# Altium PCB Thermostat_8CH.PCBDOC (part 1 of 10) (continued)
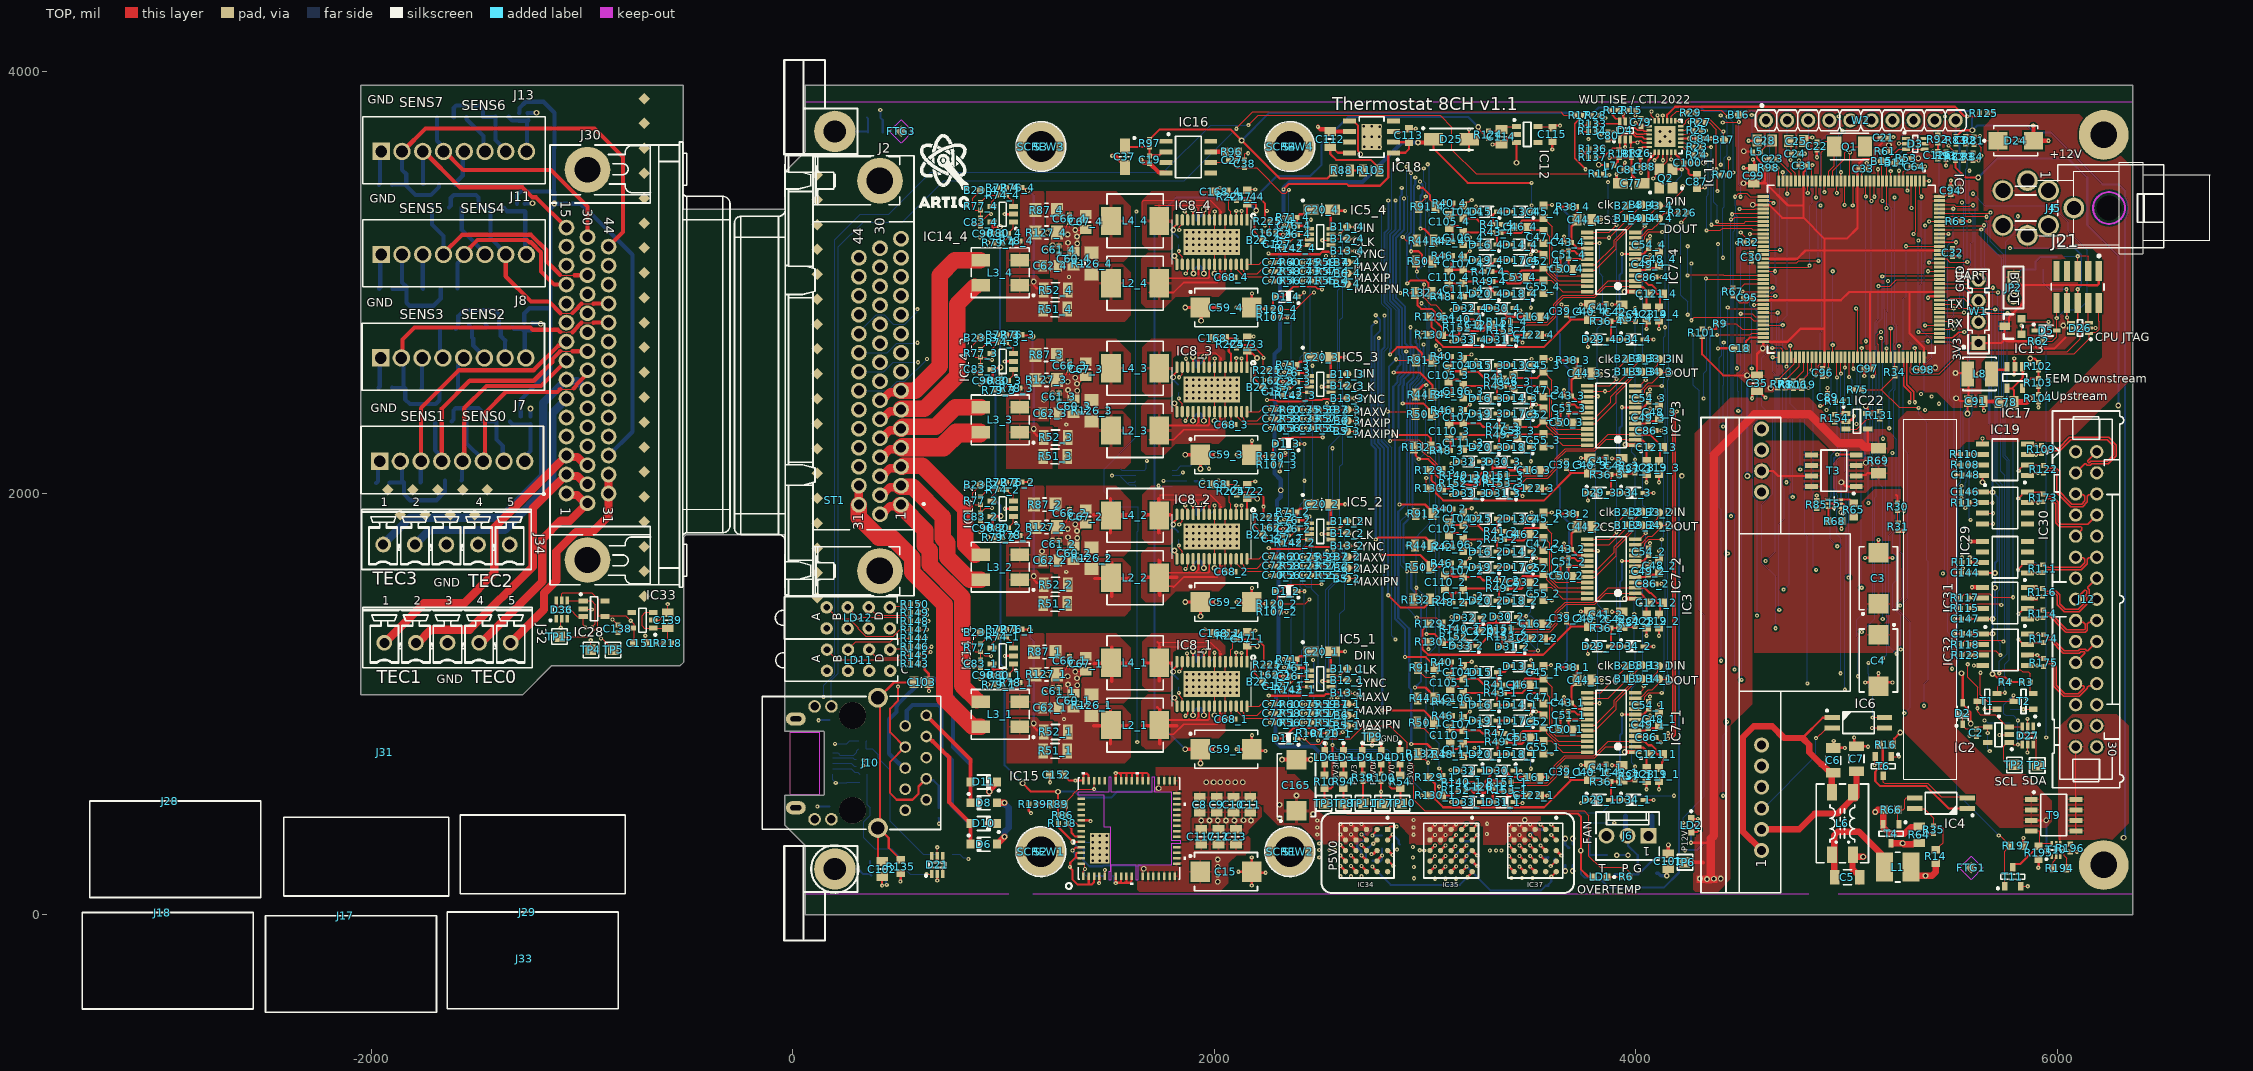
[diagram p0: TOP view]
## Classes and differential pairs
net class HPOW: NetC5_1 NetC5_2 NetC6_2 NetC7_2 P3V3 P5V0 P12V0 P12V0_IN P12V0_POE PN_1 PN_2 PN_3 PN_4 POE_VC+ POE_VC- PPS_1 PPS_2 PPS_3 PPS_4 TEC0+ TEC0- TEC1+ TEC1- TEC2+ TEC2- TEC3+ TEC3-
component class U_TH8_Breakout: C128 C129 C130 C131 C138 C139 C151 D36 IC28 IC33 J7 J8 J11 J13 J17 J18 J28 J29 J30 J31 J32 J33 J34 L10 L11 L12 L13 R155 R156 R157 R158 R159 R160 R161 R162 R163 R164 R165 R166 R167 R168 R169 R170 R171 R172 R176 R177 R178 R179 R180 R181 R218 TP4 TP5 TP15
net class Vref[3..0]: Vref0 Vref1 Vref2 Vref3
net class TEC_U_meas[3..0]: TEC_U_meas0 TEC_U_meas1 TEC_U_meas2 TEC_U_meas3
net class PWM_maxV[3..0]: PWM_maxV0 PWM_maxV1 PWM_maxV2 PWM_maxV3
net class PWM_maxIPos[3..0]: PWM_maxIPos0 PWM_maxIPos1 PWM_maxIPos2 PWM_maxIPos3
net class PWM_maxINeg[3..0]: PWM_maxINeg0 PWM_maxINeg1 PWM_maxINeg2 PWM_maxINeg3
net class ITEC[3..0]: ITEC0 ITEC1 ITEC2 ITEC3
net class DAC_SYNCn[3..0]: DAC_SYNCn0 DAC_SYNCn1 DAC_SYNCn2 DAC_SYNCn3
net class ADC_CSn[3..0]: ADC_CSn0 ADC_CSn1 ADC_CSn2 ADC_CSn3
net class \S\H\D\N\[3..0]: \S\H\D\N\0 \S\H\D\N\1 \S\H\D\N\2 \S\H\D\N\3
component class EEM_connector: C144 C145 C146 C147 C148 D27 IC19 IC23 IC29 IC30 IC31 IC32 IC36 IC39 IC40 IC41 J12 R108 R109 R110 R111 R112 R113 R114 R115 R116 R117 R118 R122 R123 R173 R174 R175 R194 R195 R196 R197 T9 T10 T11
channel class TH8_TEC_driver: U_TEC_driver0 U_TEC_driver1 U_TEC_driver2 U_TEC_driver3
channel class TH8_AFE: U_AFE0 U_AFE1 U_AFE2 U_AFE3
component class U_TEC_driver3: B5_4 B6_4 B7_4 B11_4 B12_4 B13_4 B22_4 B23_4 C20_4 C26_4 C56_4 C57_4 C58_4 C59_4 C60_4 C61_4 C62_4 C63_4 C66_4 C67_4 C68_4 C69_4 C70_4 C71_4 C72_4 C73_4 C74_4 C75_4 C76_4 C83_4 C90_4 C127_4 C162_4 C168_4 D1_4 IC5_4 IC8_4 IC14_4 IC38_4 L2_4 L3_4 L4_4 R51_4 R52_4 R55_4 R56_4 R57_4 R58_4 R59_4 R60_4 R71_4 R72_4 R74_4 R76_4 R77_4 R78_4 R79_4 R80_4 R87_4 R107_4 R120_4 R126_4 R127_4 R142_4 R224_4 R225_4
component class U_TEC_driver2: B5_3 B6_3 B7_3 B11_3 B12_3 B13_3 B22_3 B23_3 C20_3 C26_3 C56_3 C57_3 C58_3 C59_3 C60_3 C61_3 C62_3 C63_3 C66_3 C67_3 C68_3 C69_3 C70_3 C71_3 C72_3 C73_3 C74_3 C75_3 C76_3 C83_3 C90_3 C127_3 C162_3 C168_3 D1_3 IC5_3 IC8_3 IC14_3 IC38_3 L2_3 L3_3 L4_3 R51_3 R52_3 R55_3 R56_3 R57_3 R58_3 R59_3 R60_3 R71_3 R72_3 R74_3 R76_3 R77_3 R78_3 R79_3 R80_3 R87_3 R107_3 R120_3 R126_3 R127_3 R142_3 R224_3 R225_3
component class U_AFE3: B1_4 B2_4 B3_4 B4_4 B8_4 B9_4 C16_4 C39_4 C40_4 C41_4 C42_4 C43_4 C44_4 C45_4 C46_4 C47_4 C48_4 C49_4 C50_4 C51_4 C52_4 C53_4 C54_4 C55_4 C86_4 C104_4 C105_4 C106_4 C107_4 C110_4 C111_4 C119_4 C120_4 C121_4 C122_4 C123_4 D13_4 D14_4 D15_4 D16_4 D17_4 D18_4 D19_4 D20_4 D29_4 D30_4 D31_4 D32_4 D33_4 D34_4 IC7_4 R36_4 R37_4 R38_4 R40_4 R41_4 R42_4 R43_4 R44_4 R46_4 R47_4 R48_4 R49_4 R50_4 R91_4 R129_4 R130_4 R132_4 R140_4 R151_4 R152_4 R153_4
component class U_AFE2: B1_3 B2_3 B3_3 B4_3 B8_3 B9_3 C16_3 C39_3 C40_3 C41_3 C42_3 C43_3 C44_3 C45_3 C46_3 C47_3 C48_3 C49_3 C50_3 C51_3 C52_3 C53_3 C54_3 C55_3 C86_3 C104_3 C105_3 C106_3 C107_3 C110_3 C111_3 C119_3 C120_3 C121_3 C122_3 C123_3 D13_3 D14_3 D15_3 D16_3 D17_3 D18_3 D19_3 D20_3 D29_3 D30_3 D31_3 D32_3 D33_3 D34_3 IC7_3 R36_3 R37_3 R38_3 R40_3 R41_3 R42_3 R43_3 R44_3 R46_3 R47_3 R48_3 R49_3 R50_3 R91_3 R129_3 R130_3 R132_3 R140_3 R151_3 R152_3 R153_3
component class U_AFE1: B1_2 B2_2 B3_2 B4_2 B8_2 B9_2 C16_2 C39_2 C40_2 C41_2 C42_2 C43_2 C44_2 C45_2 C46_2 C47_2 C48_2 C49_2 C50_2 C51_2 C52_2 C53_2 C54_2 C55_2 C86_2 C104_2 C105_2 C106_2 C107_2 C110_2 C111_2 C119_2 C120_2 C121_2 C122_2 C123_2 D13_2 D14_2 D15_2 D16_2 D17_2 D18_2 D19_2 D20_2 D29_2 D30_2 D31_2 D32_2 D33_2 D34_2 IC7_2 R36_2 R37_2 R38_2 R40_2 R41_2 R42_2 R43_2 R44_2 R46_2 R47_2 R48_2 R49_2 R50_2 R91_2 R129_2 R130_2 R132_2 R140_2 R151_2 R152_2 R153_2
component class U_AFE0: B1_1 B2_1 B3_1 B4_1 B8_1 B9_1 C16_1 C39_1 C40_1 C41_1 C42_1 C43_1 C44_1 C45_1 C46_1 C47_1 C48_1 C49_1 C50_1 C51_1 C52_1 C53_1 C54_1 C55_1 C86_1 C104_1 C105_1 C106_1 C107_1 C110_1 C111_1 C119_1 C120_1 C121_1 C122_1 C123_1 D13_1 D14_1 D15_1 D16_1 D17_1 D18_1 D19_1 D20_1 D29_1 D30_1 D31_1 D32_1 D33_1 D34_1 IC7_1 R36_1 R37_1 R38_1 R40_1 R41_1 R42_1 R43_1 R44_1 R46_1 R47_1 R48_1 R49_1 R50_1 R91_1 R129_1 R130_1 R132_1 R140_1 R151_1 R152_1 R153_1
component class Thermostat_8CH: C1 C2 C160 C161 D3 FTG1 FTG2 FTG3 FTG4 IC1 IC2 J2 LD1 R1 R2 R3 R4 R5 R6 R220 R223 S1 S2 S3 S4 SCREW1 SCREW2 SCREW3 SCREW4 SCREW5 SCREW6 SCREW7 SCREW8 ST1 Standoff1 Standoff2 Standoff4 T1 T2 TP1 TP2 TP3
net class POWER: P5V0 P12V0
net class HV: NetC5_1 NetC5_2 NetC6_2 NetC7_2 NetIC3_3 NetIC4_3 NetIC4_4 POE_IN1 POE_IN2 POE_IN3 POE_IN4 POE_VC+ POE_VC-
component class USB: C108 C109 D21 FB1 FB2 J9 L9 R73 R75
component class U_STM32_F4CPU: B14 B15 C17 C18 C21 C22 C23 C24 C25 C28 C29 C30 C31 C32 C33 C35 C64 C92 C93 C94 C95 C96 C97 C98 C99 C126 D5 D26 IC9 IC13 J21 JP2 L5 LD11 LD12 Q1 R7 R8 R32 R33 R34 R53 R61 R62 R63 R70 R81 R82 R83 R84 R92 R93 R106 R119 R143 R144 R145 R146 R147 R148 R149 R150 R226 W1 W2
component class U_TEC_driver1: B5_2 B6_2 B7_2 B11_2 B12_2 B13_2 B22_2 B23_2 C20_2 C26_2 C56_2 C57_2 C58_2 C59_2 C60_2 C61_2 C62_2 C63_2 C66_2 C67_2 C68_2 C69_2 C70_2 C71_2 C72_2 C73_2 C74_2 C75_2 C76_2 C83_2 C90_2 C127_2 C162_2 C168_2 D1_2 IC5_2 IC8_2 IC14_2 IC38_2 L2_2 L3_2 L4_2 R51_2 R52_2 R55_2 R56_2 R57_2 R58_2 R59_2 R60_2 R71_2 R72_2 R74_2 R76_2 R77_2 R78_2 R79_2 R80_2 R87_2 R107_2 R120_2 R126_2 R127_2 R142_2 R224_2 R225_2
component class U_TEC_driver0: B5_1 B6_1 B7_1 B11_1 B12_1 B13_1 B22_1 B23_1 C20_1 C26_1 C56_1 C57_1 C58_1 C59_1 C60_1 C61_1 C62_1 C63_1 C66_1 C67_1 C68_1 C69_1 C70_1 C71_1 C72_1 C73_1 C74_1 C75_1 C76_1 C83_1 C90_1 C127_1 C162_1 C168_1 D1_1 IC5_1 IC8_1 IC14_1 IC38_1 L2_1 L3_1 L4_1 R51_1 R52_1 R55_1 R56_1 R57_1 R58_1 R59_1 R60_1 R71_1 R72_1 R74_1 R76_1 R77_1 R78_1 R79_1 R80_1 R87_1 R107_1 R120_1 R126_1 R127_1 R142_1 R224_1 R225_1
component class RMII_Ethernet: B16 B17 C36 C65 C77 C79 C80 C81 C84 C85 C87 C88 C100 C102 C103 D4 D6 D7 D8 D9 D10 D11 D22 D23 IC11 J10 L7 Q2 R11 R12 R15 R17 R18 R19 R20 R21 R22 R23 R24 R25 R26 R27 R28 R29 R98 R99 R125 R133 R134 R135 R136 R137
component class U_Thermostat_Supply: B10 B18 B19 B20 B21 C3 C4 C5 C6 C7 C8 C9 C10 C11 C12 C13 C14 C15 C19 C27 C34 C37 C38 C78 C82 C89 C91 C101 C112 C113 C114 C115 C117 C118 C152 C155 C156 C157 C158 C159 C163 C164 C165 C166 C167 D2 D12 D24 D25 D28 IC3 IC4 IC6 IC12 IC15 IC16 IC17 IC18 IC22 IC34 IC35 IC37 J4 J5 J6 L1 L6 L8 LD2 LD3 LD4 LD6 LD9 LD10 R9 R10 R13 R14 R16 R30 R31 R35 R39 R54 R64 R65 R66 R67 R68 R69 R85 R86 R88 R89 R90 R94 R95 R96 R97 R100 R101 R102 R103 R104 R105 R121 R124 R128 R131 R138 R139 R141 R154 R219 R221 R222 R227 R228 R229 R230 R231 T3 T4 T5 T6 T7 T8 TP6 TP7 TP8 TP9 TP10 TP11
differential pair TD: +TD_P -TD_N
differential pair RD: +RD_P -RD_N
differential pair LVDS7: +LVDS7_P -LVDS7_N
differential pair LVDS6: +LVDS6_P -LVDS6_N
differential pair LVDS5: +LVDS5_P -LVDS5_N
differential pair LVDS4: +LVDS4_P -LVDS4_N
differential pair LVDS3: +LVDS3_P -LVDS3_N
differential pair LVDS2: +LVDS2_P -LVDS2_N
differential pair LVDS1: +LVDS1_P -LVDS1_N
differential pair LVDS0: +LVDS0_P -LVDS0_N
differential pair USB: +USB_P -USB_N
differential pair USBJ: +USBJ_P -USBJ_N
differential pair PHY_TD: +PHY_TD_P -PHY_TD_N
differential pair PHY_RD: +PHY_RD_P -PHY_RD_N

## Components (designator, comment, footprint, x,y, rotation, side; value= is the part's Value field where it differs from the comment)
B1_1 "SMD Pad" C100#1 3960.73,1119.42 r90 top (schematic designator B1)
B1_2 "SMD Pad" C100#1 3960.73,1847.77 r90 top (schematic designator B1)
B1_3 "SMD Pad" C100#1 3960.73,2576.11 r90 top (schematic designator B1)
B1_4 "SMD Pad" C100#1 3960.73,3304.46 r90 top (schematic designator B1)
B2_1 "SMD Pad" C100#1 3960.73,1180.68 r90 top (schematic designator B2)
B2_2 "SMD Pad" C100#1 3960.73,1909.03 r90 top (schematic designator B2)
B2_3 "SMD Pad" C100#1 3960.73,2637.37 r90 top (schematic designator B2)
B2_4 "SMD Pad" C100#1 3960.73,3365.72 r90 top (schematic designator B2)
B3_1 "SMD Pad" C100#1 4110.34,1180.68 r90 top (schematic designator B3)
B3_2 "SMD Pad" C100#1 4110.34,1909.03 r90 top (schematic designator B3)
B3_3 "SMD Pad" C100#1 4110.34,2637.37 r90 top (schematic designator B3)
B3_4 "SMD Pad" C100#1 4110.34,3365.72 r90 top (schematic designator B3)
B4_1 "SMD Pad" C100#1 4110.26,1119.42 r90 top (schematic designator B4)
B4_2 "SMD Pad" C100#1 4110.26,1847.77 r90 top (schematic designator B4)
B4_3 "SMD Pad" C100#1 4110.26,2576.11 r90 top (schematic designator B4)
B4_4 "SMD Pad" C100#1 4110.26,3304.46 r90 top (schematic designator B4)
B5_1 "SMD Pad" C100#2 2628.94,896.76 r270 top (schematic designator B5)
B5_2 "SMD Pad" C100#1 2628.94,1595.58 r270 top (schematic designator B5)
B5_3 "SMD Pad" C100#1 2628.94,2294.4 r270 top (schematic designator B5)
B5_4 "SMD Pad" C100#1 2628.94,2993.22 r270 top (schematic designator B5)
B6_1 "SMD Pad" C100#2 2631.39,946.85 r270 top (schematic designator B6)
B6_2 "SMD Pad" C100#1 2631.39,1645.67 r270 top (schematic designator B6)
B6_3 "SMD Pad" C100#1 2631.39,2344.49 r270 top (schematic designator B6)
B6_4 "SMD Pad" C100#1 2631.39,3043.3 r270 top (schematic designator B6)
B7_1 "SMD Pad" C100#2 2631.39,999.81 r270 top (schematic designator B7)
B7_2 "SMD Pad" C100#1 2631.39,1698.63 r270 top (schematic designator B7)
B7_3 "SMD Pad" C100#1 2631.39,2397.45 r270 top (schematic designator B7)
B7_4 "SMD Pad" C100#1 2631.39,3096.26 r270 top (schematic designator B7)
B8_1 "SMD Pad" C100#1 4030.82,1184.61 r90 top (schematic designator B8)
B8_2 "SMD Pad" C100#1 4030.82,1912.95 r90 top (schematic designator B8)
B8_3 "SMD Pad" C100#1 4030.82,2641.3 r90 top (schematic designator B8)
B8_4 "SMD Pad" C100#1 4030.82,3369.64 r90 top (schematic designator B8)
B9_1 "SMD Pad" C100#1 4030.82,1119.64 r90 top (schematic designator B9)
B9_2 "SMD Pad" C100#1 4030.82,1847.99 r90 top (schematic designator B9)
B9_3 "SMD Pad" C100#1 4030.82,2576.34 r90 top (schematic designator B9)
B9_4 "SMD Pad" C100#1 4030.82,3304.68 r90 top (schematic designator B9)
B10 "SMD Pad" C75 2745.62,406.32 r90 bottom
B11_1 "SMD Pad" C100#2 2630.41,1167.52 r270 top (schematic designator B11)
B11_2 "SMD Pad" C100#1 2630.41,1866.34 r270 top (schematic designator B11)
B11_3 "SMD Pad" C100#1 2630.41,2565.16 r270 top (schematic designator B11)
B11_4 "SMD Pad" C100#1 2630.41,3263.98 r270 top (schematic designator B11)
B12_1 "SMD Pad" C100#2 2630.41,1112.4 r270 top (schematic designator B12)
B12_2 "SMD Pad" C100#1 2630.41,1811.22 r270 top (schematic designator B12)
B12_3 "SMD Pad" C100#1 2630.41,2510.04 r270 top (schematic designator B12)
B12_4 "SMD Pad" C100#1 2630.41,3208.86 r270 top (schematic designator B12)
B13_1 "SMD Pad" C100#2 2631.39,1053.35 r270 top (schematic designator B13)
B13_2 "SMD Pad" C100#1 2631.39,1752.17 r270 top (schematic designator B13)
B13_3 "SMD Pad" C100#1 2631.39,2450.98 r270 top (schematic designator B13)
B13_4 "SMD Pad" C100#1 2631.39,3149.8 r270 top (schematic designator B13)
B14 "SMD Pad" C100#1 5230.93,3568.29 r90 top
B15 "SMD Pad" C100#1 5166.61,3576.24 r90 top
B16 "SMD Pad" C100#1 4487.75,3795.81 r0 top
B17 "SMD Pad" C100#1 4418,3677 r0 top
B18 "SMD Pad" C75 3572.07,404.84 r270 bottom
B19 "SMD Pad" C75 3122.36,353.09 r90 bottom
B20 "SMD Pad" C75 2773.27,204.99 r90 bottom
B21 "SMD Pad" C75 3580.36,142 r90 bottom
B22_1 "SMD Pad" C100#3 2231.3,1104.53 r270 top (schematic designator B22)
B22_2 "SMD Pad" C100#1 2231.3,1803.35 r270 top (schematic designator B22)
B22_3 "SMD Pad" C100#1 2231.3,2502.17 r270 top (schematic designator B22)
B22_4 "SMD Pad" C100#1 2231.3,3200.99 r270 top (schematic designator B22)
B23_1 "SMD Pad" C100#3 890.82,1340.94 r180 top (schematic designator B23)
B23_2 "SMD Pad" C100#1 890.82,2039.75 r180 top (schematic designator B23)
B23_3 "SMD Pad" C100#1 890.82,2738.57 r180 top (schematic designator B23)
B23_4 "SMD Pad" C100#1 890.82,3437.39 r180 top (schematic designator B23)
C1 "100nF" CAPC1005X55N 1553.25,2099.41 r90 bottom
C2 "100nF" CAPC1005X55N 5615.89,863.87 r90 top
C3 "220uF" CAPMP7343X430N 5151.57,1596.79 r90 top
C4 "220uF" CAPMP7343X430N 5151.57,1206.37 r270 top
C5 "4.7nF" CAPC3216X140N 5004,178 r180 top
C6 "4.7nF" CAPC3216X140N 4937.01,732.28 r270 top
C7 "4.7nF" CAPC3216X140N 5047.24,740.16 r270 top
C8 "22uF" CAPC2012X135N 1931.44,522.64 r90 top
C9 "22uF" CAPC2012X135N 2011.24,521.65 r90 top
C10 "22uF" CAPC2012X135N 2090.67,521.65 r90 top
C11 "22uF" CAPC2012X135N 2170.53,522.64 r90 top
C12 "10uF" CAPC2012X135N 2019.68,370.08 r270 top
C13 "10uF" CAPC2012X135N 2102.36,370.08 r270 top
C14 "100nF" CAPC1005X55N 1383.86,332.68 r270 bottom
C15 "220uF" CAPMP7343X430N 2055.12,204.72 r0 top
C16_1 "10nF" CAPC1608X87N 3514.51,652.78 r0 top (schematic designator C16)
C16_2 "10nF" CAPC1608X87N 3526.14,1381.12 r0 top (schematic designator C16)
C16_3 "10nF" CAPC1608X87N 3514.51,2109.47 r0 top (schematic designator C16)
C16_4 "10nF" CAPC1608X87N 3514.51,2837.82 r0 top (schematic designator C16)
C17 "2.2uF" CAPC1608X90N 5325.56,2721.2 r180 bottom
C18 "2.2uF" CAPC1608X90N 4492.61,2687.74 r0 top
C19 "100nF" CAPC1005X55N 1692.91,3583.66 r270 top
C20_1 "10uF" CAPMP3216X180N 2509.06,1249.01 r0 top (schematic designator C20)
C20_2 "10uF" CAPMP3216X180N 2509.06,1947.83 r0 top (schematic designator C20)
C20_3 "10uF" CAPMP3216X180N 2509.06,2646.65 r0 top (schematic designator C20)
C20_4 "10uF" CAPMP3216X180N 2509.06,3345.47 r0 top (schematic designator C20)
C21 "12pF" CAPC1005X55N 5176.57,3686.21 r0 top
C22 "12pF" CAPC1005X55N 4859.66,3647.91 r270 top
C23 "10nF" CAPC1005X55N 4649.48,3586.61 r180 top
C24 "10nF" CAPC1005X55N 4756.13,3611.49 r0 top
C25 "1uF" CAPC2012X110N 4761.85,3671.71 r180 top
C26_1 "100nF" CAPC1005X55N 2376.97,1131.89 r180 top (schematic designator C26)
C26_2 "100nF" CAPC1005X55N 2376.97,1830.71 r180 top (schematic designator C26)
C26_3 "100nF" CAPC1005X55N 2376.97,2529.53 r180 top (schematic designator C26)
C26_4 "100nF" CAPC1005X55N 2376.97,3228.35 r180 top (schematic designator C26)
C27 "10nF" CAPC1005X55N 2084.65,3579.72 r180 top
C28 "1uF" CAPC2012X110N 4611.1,3673.27 r0 top
C29 "100nF" CAPC1005X55N 6015.47,3121.94 r0 bottom
C30 "100nF" CAPC1005X55N 4549.32,3120.81 r90 top
C31 "100nF" CAPC1005X55N 4792.43,3555.12 r180 top
C32 "100nF" CAPC1005X55N 5503.06,3142.46 r270 top
C33 "100nF" CAPC1005X55N 5078.16,3539.83 r0 top
C34 "22pF" CAPC1005X55N 1411.47,182.87 r0 bottom
C35 "10uF" CAPC2012X135N 4575.09,2521.65 r270 top
C36 "18pF" CAPC1005X55N 4138.57,3532.48 r180 bottom
C37 "10uF" CAPMP3216X180N 1575.79,3596.46 r270 top
C38 "100nF" CAPC1005X55N 2143,3563 r90 top
C39_1 "100nF" CAPC1005X55N 3670.85,679.35 r90 top (schematic designator C39)
C39_2 "100nF" CAPC1005X55N 3670.85,1407.7 r90 top (schematic designator C39)
C39_3 "100nF" CAPC1005X55N 3670.85,2136.04 r90 top (schematic designator C39)
C39_4 "100nF" CAPC1005X55N 3670.85,2864.39 r90 top (schematic designator C39)
C40_1 "10uF" CAPC2012X135N 3781.59,675.42 r90 top (schematic designator C40)
C40_2 "10uF" CAPC2012X135N 3781.59,1403.76 r90 top (schematic designator C40)
C40_3 "10uF" CAPC2012X135N 3781.59,2132.11 r90 top (schematic designator C40)
C40_4 "10uF" CAPC2012X135N 3781.59,2860.45 r90 top (schematic designator C40)
C41_1 "100nF" CAPC1005X55N 3858.37,696.42 r90 top (schematic designator C41)
C41_2 "100nF" CAPC1005X55N 3858.37,1424.76 r90 top (schematic designator C41)
C41_3 "100nF" CAPC1005X55N 3858.37,2153.11 r90 top (schematic designator C41)
C41_4 "100nF" CAPC1005X55N 3858.37,2881.46 r90 top (schematic designator C41)
C42_1 "10uF" CAPC2012X135N 3933.72,673.78 r90 top (schematic designator C42)
C42_2 "10uF" CAPC2012X135N 3933.72,1402.13 r90 top (schematic designator C42)
C42_3 "10uF" CAPC2012X135N 3933.72,2130.48 r90 top (schematic designator C42)
C42_4 "10uF" CAPC2012X135N 3933.72,2858.82 r90 top (schematic designator C42)
C43_1 "100nF" CAPC1005X55N 3677.27,1005.47 r180 top (schematic designator C43)
C43_2 "100nF" CAPC1005X55N 3677.27,1733.82 r180 top (schematic designator C43)
C43_3 "100nF" CAPC1005X55N 3677.27,2462.16 r180 top (schematic designator C43)
C43_4 "100nF" CAPC1005X55N 3677.27,3190.51 r180 top (schematic designator C43)
C44_1 "10uF" CAPC2012X135N 3756.01,1113.45 r0 top (schematic designator C44)
C44_2 "10uF" CAPC2012X135N 3756.01,1841.79 r0 top (schematic designator C44)
C44_3 "10uF" CAPC2012X135N 3756.01,2570.14 r0 top (schematic designator C44)
C44_4 "10uF" CAPC2012X135N 3756.01,3298.49 r0 top (schematic designator C44)
C45_1 "1nF" CAPC1608X90N 3561.2,1150.5 r90 top (schematic designator C45)
C45_2 "1nF" CAPC1608X90N 3561.2,1878.85 r90 top (schematic designator C45)
C45_3 "1nF" CAPC1608X90N 3561.2,2607.2 r90 top (schematic designator C45)
C45_4 "1nF" CAPC1608X90N 3561.2,3335.54 r90 top (schematic designator C45)
C46_1 "10nF" CAPC1608X87N 3466.81,1090.85 r0 top (schematic designator C46)
C46_2 "10nF" CAPC1608X87N 3466.07,1806.3 r0 top (schematic designator C46)
C46_3 "10nF" CAPC1608X87N 3419.88,2529.82 r270 top (schematic designator C46)
C46_4 "10nF" CAPC1608X87N 3451.96,3263.98 r0 top (schematic designator C46)
C47_1 "1nF" CAPC1608X90N 3561.2,1031.13 r90 top (schematic designator C47)
C47_2 "1nF" CAPC1608X90N 3561.2,1759.48 r90 top (schematic designator C47)
C47_3 "1nF" CAPC1608X90N 3561.2,2487.83 r90 top (schematic designator C47)
C47_4 "1nF" CAPC1608X90N 3561.2,3216.17 r90 top (schematic designator C47)
C48_1 "1uF" CAPC1608X87N 4110.34,926.73 r270 top (schematic designator C48)
C48_2 "1uF" CAPC1608X87N 4110.34,1655.08 r270 top (schematic designator C48)
C48_3 "1uF" CAPC1608X87N 4110.34,2383.42 r270 top (schematic designator C48)
C48_4 "1uF" CAPC1608X87N 4110.34,3111.77 r270 top (schematic designator C48)
C49_1 "100nF" CAPC1005X55N 4058.88,902.7 r90 top (schematic designator C49)
C49_2 "100nF" CAPC1005X55N 4058.88,1631.05 r90 top (schematic designator C49)
C49_3 "100nF" CAPC1005X55N 4058.88,2359.4 r90 top (schematic designator C49)
C49_4 "100nF" CAPC1005X55N 4058.88,3087.74 r90 top (schematic designator C49)
C50_1 "1uF" CAPC1608X87N 3669.39,879.49 r0 top (schematic designator C50)
C50_2 "1uF" CAPC1608X87N 3669.39,1607.83 r0 top (schematic designator C50)
C50_3 "1uF" CAPC1608X87N 3669.39,2336.18 r0 top (schematic designator C50)
C50_4 "1uF" CAPC1608X87N 3669.39,3064.53 r0 top (schematic designator C50)
C51_1 "100nF" CAPC1005X55N 3681.2,946.3 r90 top (schematic designator C51)
C51_2 "100nF" CAPC1005X55N 3681.2,1674.65 r90 top (schematic designator C51)
C51_3 "100nF" CAPC1005X55N 3681.2,2402.99 r90 top (schematic designator C51)
C51_4 "100nF" CAPC1005X55N 3681.2,3131.34 r90 top (schematic designator C51)
C52_1 "1nF" CAPC1608X90N 3561.21,916.88 r90 top (schematic designator C52)
C52_2 "1nF" CAPC1608X90N 3561.21,1645.23 r90 top (schematic designator C52)
C52_3 "1nF" CAPC1608X90N 3561.21,2373.58 r90 top (schematic designator C52)
C52_4 "1nF" CAPC1608X90N 3561.21,3101.92 r90 top (schematic designator C52)
C53_1 "10nF" CAPC1608X87N 3468.87,841.27 r0 top (schematic designator C53)
C53_2 "10nF" CAPC1608X87N 3465.81,1576.7 r0 top (schematic designator C53)
C53_3 "10nF" CAPC1608X87N 3438.54,2296.92 r270 top (schematic designator C53)
C53_4 "10nF" CAPC1608X87N 3447.69,3025.33 r0 top (schematic designator C53)
C54_1 "100nF" CAPC1005X55N 4061.12,993.92 r90 top (schematic designator C54)
C54_2 "100nF" CAPC1005X55N 4061.12,1722.27 r90 top (schematic designator C54)
C54_3 "100nF" CAPC1005X55N 4061.12,2450.61 r90 top (schematic designator C54)
C54_4 "100nF" CAPC1005X55N 4061.12,3178.96 r90 top (schematic designator C54)
C55_1 "1nF" CAPC1608X90N 3561.21,795.08 r90 top (schematic designator C55)
C55_2 "1nF" CAPC1608X90N 3561.21,1523.43 r90 top (schematic designator C55)
C55_3 "1nF" CAPC1608X90N 3561.21,2251.78 r90 top (schematic designator C55)
C55_4 "1nF" CAPC1608X90N 3561.21,2980.12 r90 top (schematic designator C55)
C56_1 "1uF" CAPC1608X87N 1945.87,1198.58 r180 bottom (schematic designator C56)
C56_2 "1uF" CAPC1608X87N 1945.87,1897.39 r180 bottom (schematic designator C56)
C56_3 "1uF" CAPC1608X87N 1945.87,2596.21 r180 bottom (schematic designator C56)
C56_4 "1uF" CAPC1608X87N 1945.87,3295.03 r180 bottom (schematic designator C56)
C57_1 "1uF" CAPC1608X87N 2155.51,1310.04 r270 top (schematic designator C57)
C57_2 "1uF" CAPC1608X87N 2155.51,2008.85 r270 top (schematic designator C57)
C57_3 "1uF" CAPC1608X87N 2155.51,2707.67 r270 top (schematic designator C57)
C57_4 "1uF" CAPC1608X87N 2155.51,3406.49 r270 top (schematic designator C57)
C58_1 "1uF" CAPC1608X87N 1957.95,989.91 r180 bottom (schematic designator C58)
C58_2 "1uF" CAPC1608X87N 1957.95,1688.73 r180 bottom (schematic designator C58)
C58_3 "1uF" CAPC1608X87N 1957.95,2387.55 r180 bottom (schematic designator C58)
C58_4 "1uF" CAPC1608X87N 1957.95,3086.37 r180 bottom (schematic designator C58)
C59_1 "220uF" CAPMP7343X430N 2056.1,785.19 r0 top (schematic designator C59)
C59_2 "220uF" CAPMP7343X430N 2056.1,1484.01 r0 top (schematic designator C59)
C59_3 "220uF" CAPMP7343X430N 2056.1,2182.83 r0 top (schematic designator C59)
C59_4 "220uF" CAPMP7343X430N 2056.1,2881.65 r0 top (schematic designator C59)
C60_1 "10uF" CAPC2012X135N 1331.69,1015.84 r90 top (schematic designator C60)
C60_2 "10uF" CAPC2012X135N 1331.69,1714.66 r90 top (schematic designator C60)
C60_3 "10uF" CAPC2012X135N 1331.69,2413.48 r90 top (schematic designator C60)
C60_4 "10uF" CAPC2012X135N 1331.69,3112.3 r90 top (schematic designator C60)
C61_1 "100nF" CAPC1005X55N 1261.89,1059.45 r270 top (schematic designator C61)
C61_2 "100nF" CAPC1005X55N 1261.89,1758.27 r270 top (schematic designator C61)
C61_3 "100nF" CAPC1005X55N 1261.89,2457.09 r270 top (schematic designator C61)
C61_4 "100nF" CAPC1005X55N 1261.89,3155.91 r270 top (schematic designator C61)
C62_1 "10uF" CAPC2012X135N 1221.46,982.49 r0 top (schematic designator C62)
C62_2 "10uF" CAPC2012X135N 1221.46,1681.31 r0 top (schematic designator C62)
C62_3 "10uF" CAPC2012X135N 1221.46,2380.13 r0 top (schematic designator C62)
C62_4 "10uF" CAPC2012X135N 1221.46,3078.94 r0 top (schematic designator C62)
C63_1 "100nF" CAPC1005X55N 1827.76,1100.15 r90 bottom (schematic designator C63)
C63_2 "100nF" CAPC1005X55N 1827.76,1798.97 r90 bottom (schematic designator C63)
C63_3 "100nF" CAPC1005X55N 1827.76,2497.79 r90 bottom (schematic designator C63)
C63_4 "100nF" CAPC1005X55N 1827.76,3196.61 r90 bottom (schematic designator C63)
C64 "100nF" CAPC1005X55N 5322.94,3550.68 r0 top
C65 "18pF" CAPC1005X55N 4157.06,3464.78 r180 bottom
C66_1 "100nF" CAPC1005X55N 1313.07,1206.45 r270 top (schematic designator C66)
C66_2 "100nF" CAPC1005X55N 1313.07,1905.27 r270 top (schematic designator C66)
C66_3 "100nF" CAPC1005X55N 1313.07,2604.09 r270 top (schematic designator C66)
C66_4 "100nF" CAPC1005X55N 1313.07,3302.91 r270 top (schematic designator C66)
C67_1 "10uF" CAPC2012X135N 1389.86,1190.98 r90 top (schematic designator C67)
C67_2 "10uF" CAPC2012X135N 1389.86,1889.8 r90 top (schematic designator C67)
C67_3 "10uF" CAPC2012X135N 1389.86,2588.62 r90 top (schematic designator C67)
C67_4 "10uF" CAPC2012X135N 1389.86,3287.44 r90 top (schematic designator C67)
C68_1 "10nF" CAPC1005X55N 2079.02,928.75 r0 top (schematic designator C68)
C68_2 "10nF" CAPC1005X55N 2079.02,1627.57 r0 top (schematic designator C68)
C68_3 "10nF" CAPC1005X55N 2079.02,2326.39 r0 top (schematic designator C68)
C68_4 "10nF" CAPC1005X55N 2079.02,3025.21 r0 top (schematic designator C68)
C69_1 "1uF" CAPC1608X87N 2580.87,963.05 r90 bottom (schematic designator C69)
C69_2 "1uF" CAPC1608X87N 2570.87,1663.27 r90 bottom (schematic designator C69)
C69_3 "1uF" CAPC1608X87N 2570.87,2366.64 r90 bottom (schematic designator C69)
C69_4 "1uF" CAPC1608X87N 2570.87,3056.17 r90 bottom (schematic designator C69)
C70_1 "100nF" CAPC1005X55N 2307.29,911.7 r180 top (schematic designator C70)
C70_2 "100nF" CAPC1005X55N 2307.29,1610.52 r180 top (schematic designator C70)
C70_3 "100nF" CAPC1005X55N 2307.29,2309.34 r180 top (schematic designator C70)
C70_4 "100nF" CAPC1005X55N 2307.29,3008.15 r180 top (schematic designator C70)
C71_1 "100nF" CAPC1005X55N 2481.3,911.7 r180 top (schematic designator C71)
C71_2 "100nF" CAPC1005X55N 2481.3,1610.52 r180 top (schematic designator C71)
C71_3 "100nF" CAPC1005X55N 2481.3,2309.34 r180 top (schematic designator C71)
C71_4 "100nF" CAPC1005X55N 2481.3,3008.15 r180 top (schematic designator C71)
C72_1 "100nF" CAPC1005X55N 2307.29,956.14 r180 top (schematic designator C72)
C72_2 "100nF" CAPC1005X55N 2307.29,1654.96 r180 top (schematic designator C72)
C72_3 "100nF" CAPC1005X55N 2307.29,2353.78 r180 top (schematic designator C72)
C72_4 "100nF" CAPC1005X55N 2307.29,3052.59 r180 top (schematic designator C72)
C73_1 "100nF" CAPC1005X55N 2481.3,956.14 r180 top (schematic designator C73)
C73_2 "100nF" CAPC1005X55N 2481.3,1654.96 r180 top (schematic designator C73)
C73_3 "100nF" CAPC1005X55N 2481.3,2353.78 r180 top (schematic designator C73)
C73_4 "100nF" CAPC1005X55N 2481.3,3052.59 r180 top (schematic designator C73)
C74_1 "100nF" CAPC1005X55N 2307.29,999.31 r180 top (schematic designator C74)
C74_2 "100nF" CAPC1005X55N 2307.29,1698.13 r180 top (schematic designator C74)
C74_3 "100nF" CAPC1005X55N 2307.29,2396.95 r180 top (schematic designator C74)
C74_4 "100nF" CAPC1005X55N 2307.29,3095.77 r180 top (schematic designator C74)
C75_1 "100nF" CAPC1005X55N 2481.3,998.33 r180 top (schematic designator C75)
C75_2 "100nF" CAPC1005X55N 2481.3,1697.15 r180 top (schematic designator C75)
C75_3 "100nF" CAPC1005X55N 2481.3,2395.97 r180 top (schematic designator C75)
C75_4 "100nF" CAPC1005X55N 2481.3,3094.78 r180 top (schematic designator C75)
C76_1 "100nF" CAPC1005X55N 2375.98,1173.23 r180 top (schematic designator C76)
C76_2 "100nF" CAPC1005X55N 2375.98,1872.05 r180 top (schematic designator C76)
C76_3 "100nF" CAPC1005X55N 2375.98,2570.87 r180 top (schematic designator C76)
C76_4 "100nF" CAPC1005X55N 2375.98,3269.68 r180 top (schematic designator C76)
C77 "10uF" CAPMP3216X180N 3978.14,3471.46 r180 top
C78 "10uF" CAPC2012X135N 5758.72,2433.2 r0 top
C79 "100nF" CAPC1005X55N 4024.4,3759.81 r90 top
C80 "100nF" CAPC1005X55N 3868.17,3695.79 r270 top
C81 "100nF" CAPC1005X55N 3962.39,3535.43 r0 top
C82 "100nF" CAPC1005X55N 3757.39,381.1 r0 bottom
C83_1 "10nF" CAPC1005X55N 890.18,1190.74 r90 top (schematic designator C83)
C83_2 "10nF" CAPC1005X55N 890.18,1889.56 r90 top (schematic designator C83)
C83_3 "10nF" CAPC1005X55N 890.18,2588.38 r90 top (schematic designator C83)
C83_4 "10nF" CAPC1005X55N 890.18,3287.19 r90 top (schematic designator C83)
C84 "100nF" CAPC1005X55N 4308.65,3683.07 r180 top
C85 "100nF" CAPC1005X55N 692.02,477.23 r90 bottom
C86_1 "100nF" CAPC1005X55N 4078.84,841.27 r0 top (schematic designator C86)
C86_2 "100nF" CAPC1005X55N 4078.84,1569.62 r0 top (schematic designator C86)
C86_3 "100nF" CAPC1005X55N 4078.84,2297.96 r0 top (schematic designator C86)
C86_4 "100nF" CAPC1005X55N 4078.84,3026.31 r0 top (schematic designator C86)
C87 "1uF" CAPC1608X87N 4290.15,3479.33 r90 top
C88 "100nF" CAPC1005X55N 4042.11,3550.2 r0 top
C89 "10nF" CAPC1005X55N 4909.86,2456.51 r90 top
C90_1 "100nF" CAPC1005X55N 930.52,1136.12 r180 top (schematic designator C90)
C90_2 "100nF" CAPC1005X55N 930.52,1834.93 r180 top (schematic designator C90)
C90_3 "100nF" CAPC1005X55N 930.52,2533.75 r180 top (schematic designator C90)
C90_4 "100nF" CAPC1005X55N 930.52,3232.57 r180 top (schematic designator C90)
C91 "10uF" CAPC2012X135N 5613.47,2437.49 r0 top
C92 "100nF" CAPC1005X55N 5565.52,3674.57 r90 top
C93 "100nF" CAPC1005X55N 5555.78,3597.18 r270 top
C94 "100nF" CAPC1005X55N 5494.21,3435.77 r90 top
C95 "100nF" CAPC1005X55N 4528.81,2926.81 r180 top
C96 "100nF" CAPC1005X55N 4886.24,2573.17 r270 top
C97 "100nF" CAPC1005X55N 5101.49,2591.28 r180 top
C98 "100nF" CAPC1005X55N 5367.24,2586.94 r180 top
C99 "10uF" CAPC2012X135N 4560.15,3506.63 r90 top
C100 "1nF" CAPC1005X55N 4245.85,3567.91 r180 top
C101 "10uF" CAPC2012X135N 4154.27,254.04 r270 top
C102 "Undefined" CAPC2012X135N 423.4,217 r270 top
C103 "Undefined" CAPC2012X135N 610.24,1102.36 r0 top
C104_1 "1nF" CAPC1608X90N 3180.79,1150.82 r90 top (schematic designator C104)
C104_2 "1nF" CAPC1608X90N 3180.79,1879.17 r90 top (schematic designator C104)
C104_3 "1nF" CAPC1608X90N 3180.79,2607.51 r90 top (schematic designator C104)
C104_4 "1nF" CAPC1608X90N 3180.79,3335.86 r90 top (schematic designator C104)
C105_1 "10nF" CAPC1608X87N 3119,1101.38 r270 top (schematic designator C105)
C105_2 "10nF" CAPC1608X87N 3113.5,1831.15 r270 top (schematic designator C105)
C105_3 "10nF" CAPC1608X87N 3111,2561.32 r270 top (schematic designator C105)
C105_4 "10nF" CAPC1608X87N 3114.88,3289.31 r270 top (schematic designator C105)
C106_1 "1nF" CAPC1608X90N 3180.79,1026.8 r90 top (schematic designator C106)
C106_2 "1nF" CAPC1608X90N 3180.79,1755.15 r90 top (schematic designator C106)
C106_3 "1nF" CAPC1608X90N 3180.79,2483.5 r90 top (schematic designator C106)
C106_4 "1nF" CAPC1608X90N 3180.79,3211.84 r90 top (schematic designator C106)
C107_1 "1nF" CAPC1608X90N 3180.79,905.07 r90 top (schematic designator C107)
C107_2 "1nF" CAPC1608X90N 3180.79,1633.42 r90 top (schematic designator C107)
C107_3 "1nF" CAPC1608X90N 3180.79,2361.76 r90 top (schematic designator C107)
C107_4 "1nF" CAPC1608X90N 3180.79,3090.11 r90 top (schematic designator C107)
C108 "100nF" CAPC1005X55N 334.06,628.94 r0 bottom
C109 "100nF" CAPC1005X55N 329.63,825 r0 bottom
C110_1 "10nF" CAPC1608X87N 3119.22,851.82 r270 top (schematic designator C110)
C110_2 "10nF" CAPC1608X87N 3094.6,1577.69 r270 top (schematic designator C110)
C110_3 "10nF" CAPC1608X87N 3114.48,2294.4 r270 top (schematic designator C110)
C110_4 "10nF" CAPC1608X87N 3111.99,3026.31 r270 top (schematic designator C110)
C111_1 "1nF" CAPC1608X90N 3180.79,783.27 r90 top (schematic designator C111)
C111_2 "1nF" CAPC1608X90N 3180.79,1511.62 r90 top (schematic designator C111)
C111_3 "1nF" CAPC1608X90N 3180.79,2239.96 r90 top (schematic designator C111)
C111_4 "1nF" CAPC1608X90N 3180.79,2968.31 r90 top (schematic designator C111)
C112 "10uF" CAPC2012X135N 2549.21,3681.1 r90 top
C113 "1uF" CAPC1608X87N 2923.23,3698.22 r270 top
C114 "10uF" CAPC2012X135N 3362.44,3691.27 r270 top
C115 "1uF" CAPC1608X87N 3604.43,3703.08 r90 top
C117 "10uF" CAPC2012X135N 1937.01,370.08 r270 top
C118 "2.2nF" CAPC1608X87N 1507.31,585.25 r0 bottom
C119_1 "10nF" CAPC1608X87N 4110.34,665.57 r270 top (schematic designator C119)
C119_2 "10nF" CAPC1608X87N 4110.34,1393.92 r270 top (schematic designator C119)
C119_3 "10nF" CAPC1608X87N 4110.34,2122.27 r270 top (schematic designator C119)
C119_4 "10nF" CAPC1608X87N 4110.34,2850.61 r270 top (schematic designator C119)
C120_1 "100nF" CAPC1608X87N 3283.22,608.49 r180 top (schematic designator C120)
C120_2 "100nF" CAPC1608X87N 3292.32,1344.86 r180 top (schematic designator C120)
C120_3 "100nF" CAPC1608X87N 3263.53,2069.17 r180 top (schematic designator C120)
C120_4 "100nF" CAPC1608X87N 3284.4,2799.94 r180 top (schematic designator C120)
C121_1 "100nF" CAPC1608X87N 4096.56,761.58 r0 top (schematic designator C121)
C121_2 "100nF" CAPC1608X87N 4096.56,1480.08 r0 top (schematic designator C121)
C121_3 "100nF" CAPC1608X87N 4096.56,2218.27 r0 top (schematic designator C121)
C121_4 "100nF" CAPC1608X87N 4096.56,2946.61 r0 top (schematic designator C121)
C122_1 "10nF" CAPC1608X87N 3514.51,566.16 r180 top (schematic designator C122)
C122_2 "10nF" CAPC1608X87N 3533.25,1311.02 r180 top (schematic designator C122)
C122_3 "10nF" CAPC1608X87N 3514.51,2022.86 r180 top (schematic designator C122)
C122_4 "10nF" CAPC1608X87N 3514.51,2751.2 r180 top (schematic designator C122)
C123_1 "10nF" CAPC1608X87N 4051.28,665.57 r90 top (schematic designator C123)
C123_2 "10nF" CAPC1608X87N 4051.28,1393.92 r90 top (schematic designator C123)
C123_3 "10nF" CAPC1608X87N 4051.28,2122.27 r90 top (schematic designator C123)
C123_4 "10nF" CAPC1608X87N 4051.28,2850.61 r90 top (schematic designator C123)
C126 "100nF" CAPC1005X55N 5433.07,3604.33 r270 top
C127_1 "100nF" CAPC1005X55N 2324,1084.28 r90 top (schematic designator C127)
C127_2 "100nF" CAPC1005X55N 2322,1784 r90 top (schematic designator C127)
C127_3 "100nF" CAPC1005X55N 2322,2482 r90 top (schematic designator C127)
C127_4 "100nF" CAPC1005X55N 2326,3181 r90 top (schematic designator C127)
C128 "100nF" CAPC1005X55N -1245,2347 r270 bottom
C129 "100nF" CAPC1005X55N -1236,2791 r270 bottom
C130 "100nF" CAPC1005X55N -1273,3356 r270 bottom
C131 "100nF" CAPC1005X55N -1260,3786 r270 bottom
C138 "100nF" CAPC1005X55N -830.55,1357.28 r270 top
C139 "10uF" CAPC2012X135N -594.33,1397.64 r90 top
C144 "100nF" CAPC1005X55N 5563.45,1621.79 r0 top
C145 "100nF" CAPC1005X55N 5566.75,1333.65 r0 top
C146 "100nF" CAPC1005X55N 5563.46,2006.6 r0 top
C147 "100nF" CAPC1005X55N 5563.46,1403.79 r0 top
C148 "100nF" CAPC1005X55N 5565.42,2087.61 r0 top
C151 "1uF" CAPC1608X87N -722.28,1289.37 r180 top
C152 "1uF" CAPC1608X87N 1251.53,664.86 r0 top
C155 "10uF" CAPC2012X135N 2545.59,236.59 r270 bottom
C156 "10uF" CAPC2012X135N 2999.58,234.18 r270 bottom
C157 "47uF" CAPC2012X145N 2546.58,381.84 r90 bottom
C158 "47uF" CAPC2012X145N 2999.58,379.43 r90 bottom
C159 "100nF" CAPC1005X55N 2862.82,336.53 r180 bottom
C160 "Undefined" CAPC2012X135N 390.75,3713.06 r0 bottom
C161 "Undefined" CAPC2012X135N 407.06,187.01 r0 bottom
C162_1 "10nF" CAPC1005X55N 2269.78,1140.01 r180 top (schematic designator C162)
C162_2 "10nF" CAPC1005X55N 2277.76,1836.57 r180 top (schematic designator C162)
C162_3 "10nF" CAPC1005X55N 2279.53,2534.7 r180 top (schematic designator C162)
C162_4 "10nF" CAPC1005X55N 2274.61,3236.18 r180 top (schematic designator C162)
C163 "10uF" CAPC2012X135N 3352.11,234.18 r270 bottom
C164 "47uF" CAPC2012X145N 3351.12,379.43 r90 bottom
C165 "220uF" CAPMP7343X430N 2389.35,614.34 r90 top
C166 "22uF" CAPC2012X135N 3682.93,282.75 r270 bottom
C167 "22uF" CAPC2012X135N 2896.1,234.18 r270 bottom
C168_1 "1uF" CAPC1608X87N 2024.68,1335.89 r0 top (schematic designator C168)
C168_2 "1uF" CAPC1608X87N 2022.06,2041.94 r0 top (schematic designator C168)
C168_3 "1uF" CAPC1608X87N 2020.01,2735.21 r0 top (schematic designator C168)
C168_4 "1uF" CAPC1608X87N 2027.38,3430.72 r0 top (schematic designator C168)
D1_1 "BAT165" SOD2512X110N 2339.57,836.37 r180 top (schematic designator D1)
D1_2 "BAT165" SOD2512X110N 2339.57,1535.19 r180 top (schematic designator D1)
D1_3 "BAT165" SOD2512X110N 2339.57,2234.01 r180 top (schematic designator D1)
D1_4 "BAT165" SOD2512X110N 2339.57,2932.83 r180 top (schematic designator D1)
D2 "BAT165" SOD2512X110N 5551.18,955.31 r90 top
D3 "DRTR5V0U4S-7" SOT65P210X110-6N 5325.79,3658.46 r0 top
D4 "DRTR5V0U4S-7" SOT65P210X110-6N 3949.2,3721.65 r90 top
D5 "BAT165" SOD2512X110N 5947.11,2771.89 r0 top
D6 "PMEG6020ER" SODFL3517X110N 905.51,334.65 r0 top
D7 "PMEG6020ER" SODFL3517X110N 905.51,629.92 r180 bottom
D8 "PMEG6020ER" SODFL3517X110N 905.51,531.5 r0 top
D9 "PMEG6020ER" SODFL3517X110N 905.51,334.65 r0 bottom
D10 "PMEG6020ER" SODFL3517X110N 905.51,433.07 r180 top
D11 "PMEG6020ER" SODFL3517X110N 905.51,629.92 r180 top
D12 "PMEG6020ER" SODFL3517X110N 4013.88,480.73 r0 bottom
D13_1 "BAS416" SOD2512X110N 3451.96,1179.6 r180 top (schematic designator D13)
D13_2 "BAS416" SOD2512X110N 3454.29,1880.35 r180 top (schematic designator D13)
D13_3 "BAS416" SOD2512X110N 3454.29,2608.69 r180 top (schematic designator D13)
D13_4 "BAS416" SOD2512X110N 3454.29,3337.04 r180 top (schematic designator D13)
D14_1 "BAS416" SOD2512X110N 3452.5,995.34 r180 top (schematic designator D14)
D14_2 "BAS416" SOD2512X110N 3452.5,1723.69 r180 top (schematic designator D14)
D14_3 "BAS416" SOD2512X110N 3452.5,2452.04 r180 top (schematic designator D14)
D14_4 "BAS416" SOD2512X110N 3452.5,3180.38 r180 top (schematic designator D14)
D15_1 "BAS416" SOD2512X110N 3292.87,1150.68 r180 top (schematic designator D15)
D15_2 "BAS416" SOD2512X110N 3292.87,1879.03 r180 top (schematic designator D15)
D15_3 "BAS416" SOD2512X110N 3292.87,2607.38 r180 top (schematic designator D15)
D15_4 "BAS416" SOD2512X110N 3292.87,3335.72 r180 top (schematic designator D15)
D16_1 "BAS416" SOD2512X110N 3291.31,995.35 r180 top (schematic designator D16)
D16_2 "BAS416" SOD2512X110N 3291.31,1723.7 r180 top (schematic designator D16)
D16_3 "BAS416" SOD2512X110N 3291.31,2452.04 r180 top (schematic designator D16)
D16_4 "BAS416" SOD2512X110N 3291.31,3180.39 r180 top (schematic designator D16)
D17_1 "BAS416" SOD2512X110N 3453.35,921.19 r180 top (schematic designator D17)
D17_2 "BAS416" SOD2512X110N 3453.35,1649.54 r180 top (schematic designator D17)
D17_3 "BAS416" SOD2512X110N 3453.35,2377.89 r180 top (schematic designator D17)
D17_4 "BAS416" SOD2512X110N 3453.35,3106.23 r180 top (schematic designator D17)
D18_1 "BAS416" SOD2512X110N 3450.57,762.01 r180 top (schematic designator D18)
D18_2 "BAS416" SOD2512X110N 3450.57,1490.35 r180 top (schematic designator D18)
D18_3 "BAS416" SOD2512X110N 3450.57,2218.7 r180 top (schematic designator D18)
D18_4 "BAS416" SOD2512X110N 3450.57,2947.05 r180 top (schematic designator D18)
D19_1 "BAS416" SOD2512X110N 3291.31,921.2 r180 top (schematic designator D19)
D19_2 "BAS416" SOD2512X110N 3291.31,1649.54 r180 top (schematic designator D19)